# Altium PCB back3_STM32F405.PcbDoc (part 1 of 4) (continued)
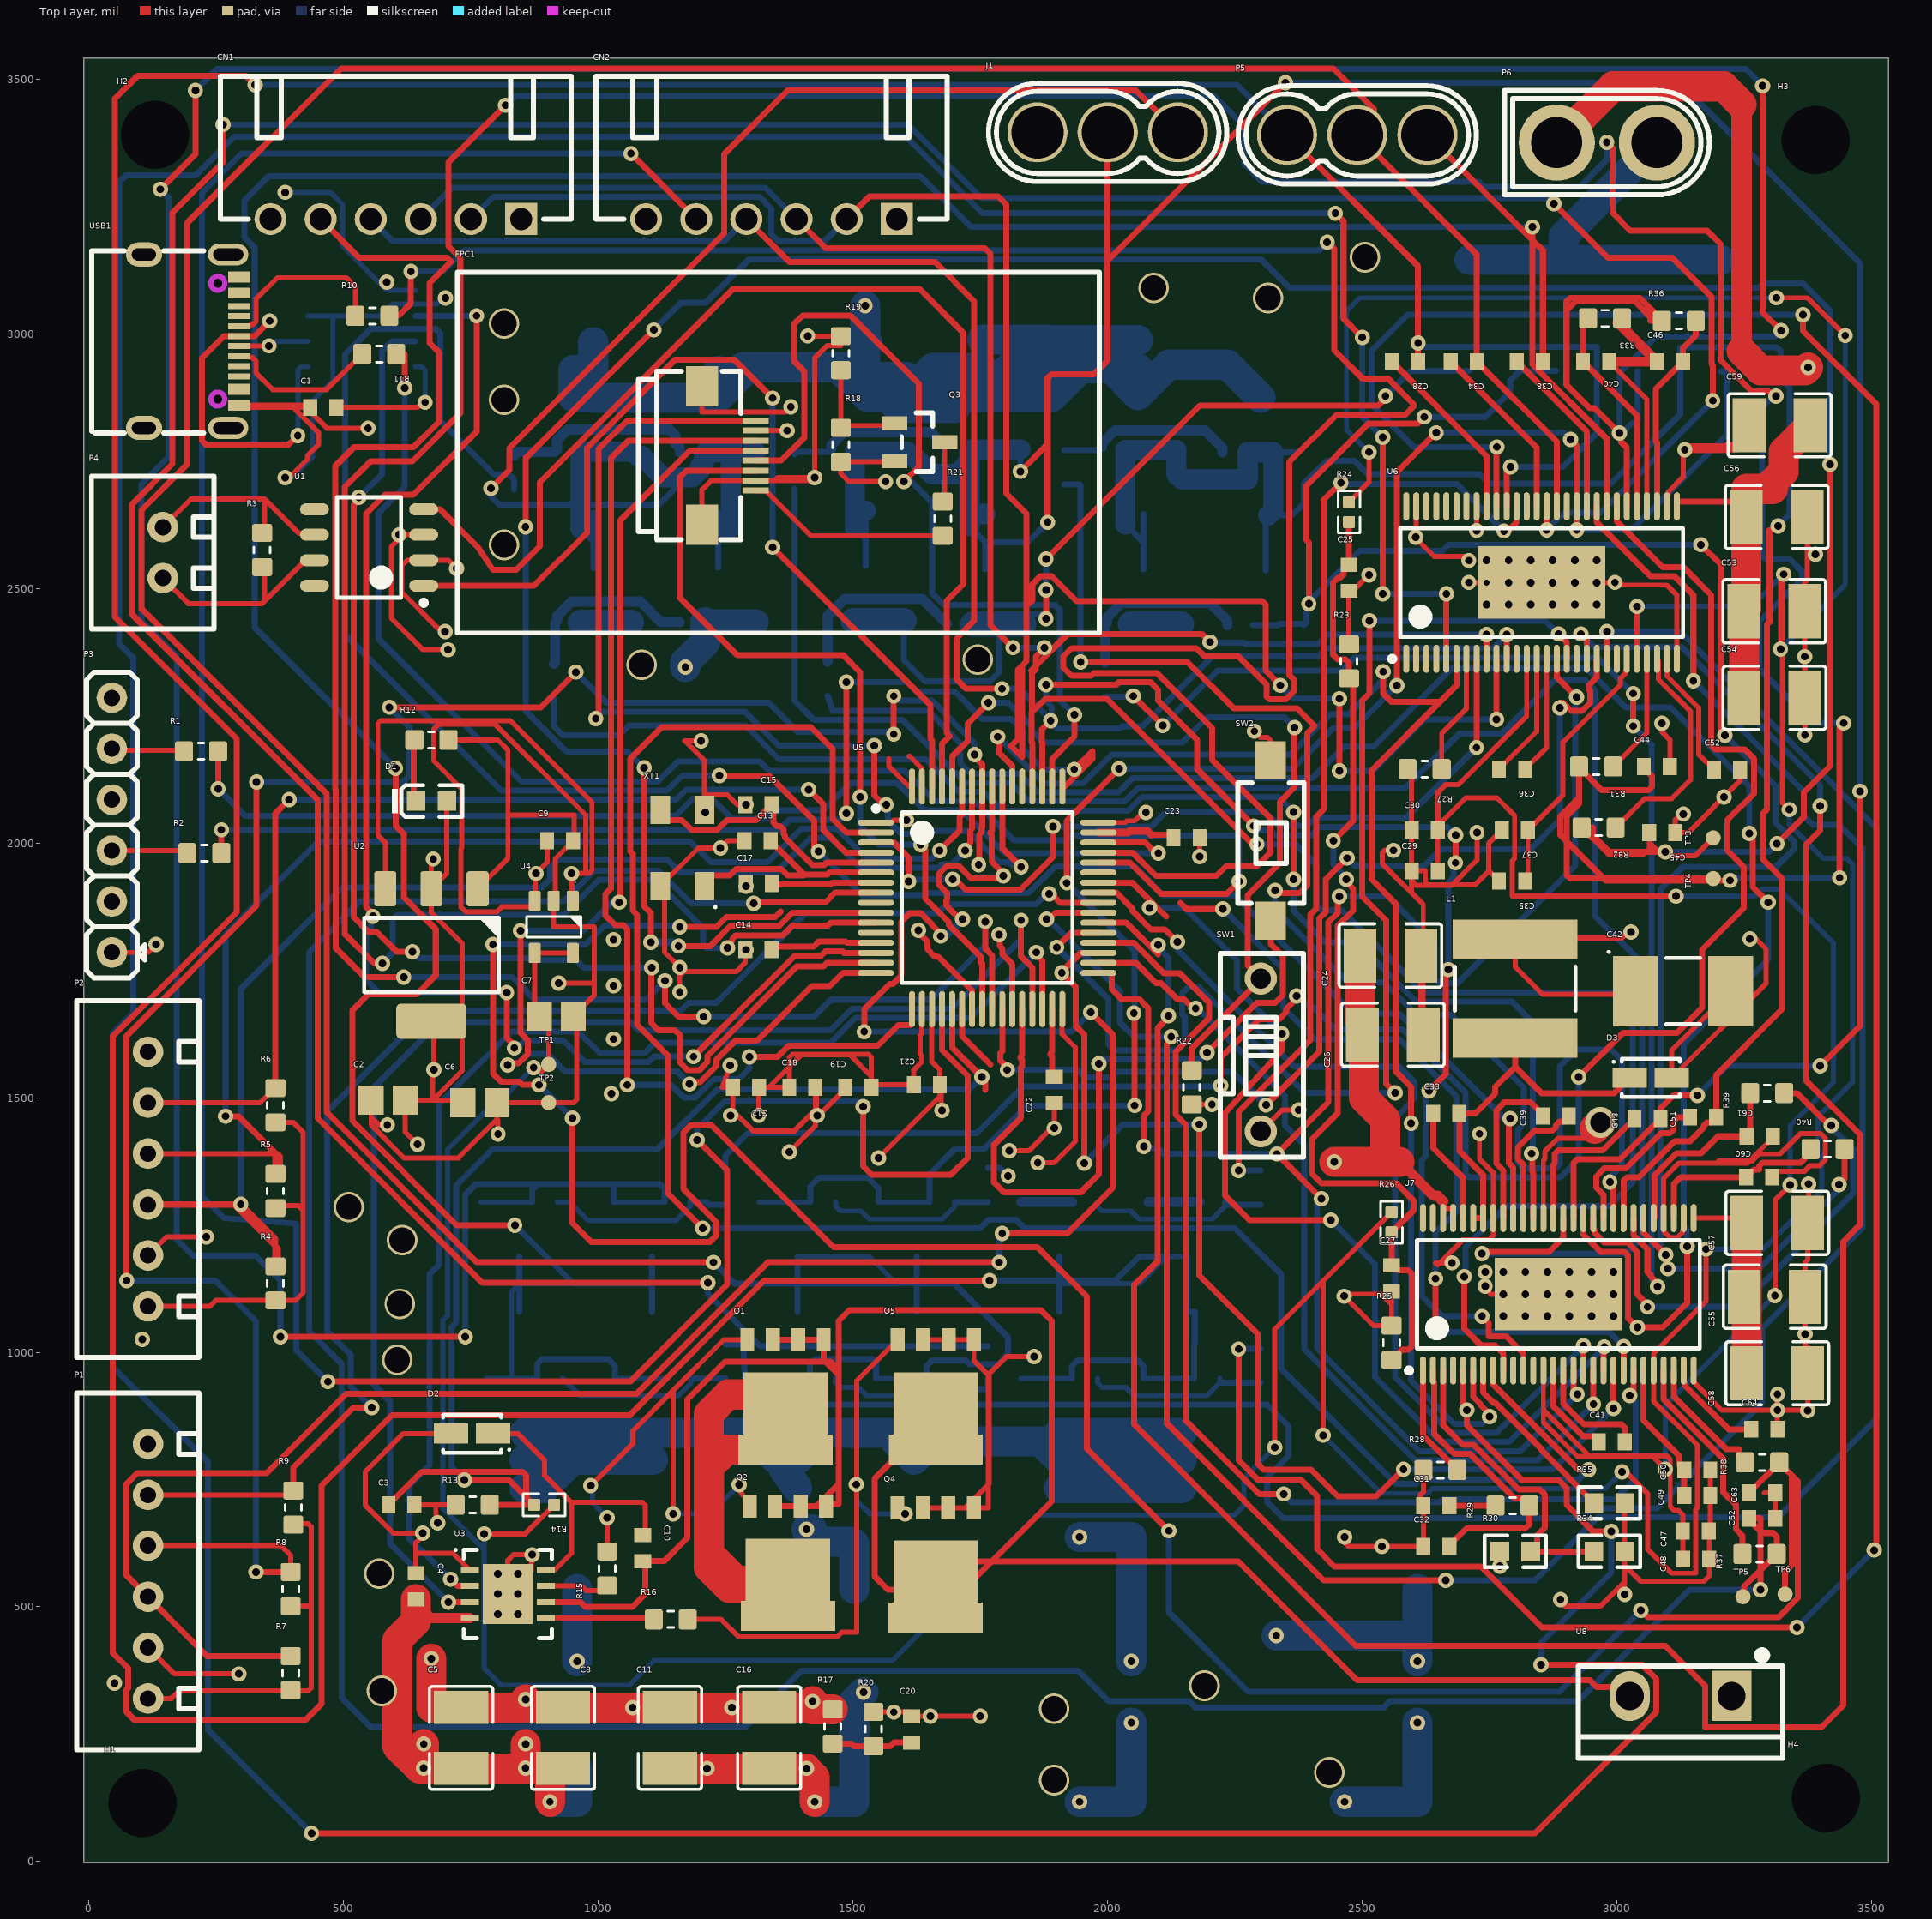
[diagram p0: Top Layer view]
## Classes and differential pairs
component class "Room Definition8": FPC1 Q23 R18 R26 R28
component class "Room Definition7": C2 C3 C12 C14 C18 C19 C22 C65 U5 XT1
component class "Room Definition6": C2 C12 C19 C22 D1 R12 TP1 TP2 U4 U9
component class "Room Definition5": C28 C29 C32 C34 C38 C44 C46 C48 C51 C52 C54 C56 C59 C60 C62 C64 R32 R34 R36 R39 R44 R47 R56 TP4 TP5 U7
component class "Room Definition4": C24 C32 C38 C42 C44 C48 C50 C51 C52 C57 C58 C59 C60 C62 C64 D3 L1 R26 R28 R34 R36 R38 R39 R44 R52 R55 TP5 TP6 U7
component class "Room Definition3": C24 C32 C38 C42 C44 C48 C50 C51 C52 C57 C58 C59 C60 C62 C64 D3 L1 R26 R28 R34 R36 R38 R39 R44 R52 R55 TP5 TP6 U7
component class "Room Definition2": Q9 Q15 Q17 Q19 Q24 Q25 Q27 Q29 R14 R36 R46 R50 R54
component class "Room Definition1": Q7 Q9 Q11 Q15 Q17 Q19 Q23 Q24 Q26 Q27 R42 R47 R52 R54 R55 R56
net class VCC: +5 AGND AVCC GVDD VCC
net class DCBUS: DCBUS PGND
component class U_DRV8301_Power: C24 C32 C38 C42 C44 C48 C50 C51 C52 C57 C58 C59 C60 C62 C64 D3 J1 L1 Q7 Q9 Q11 Q15 Q17 Q19 Q23 Q24 Q26 Q27 R26 R28 R34 R36 R38 R39 R42 R44 R47 R52 R54 R55 R56 TP5 TP6 U7
component class U_DRV8301_NoPower: C28 C29 C32 C34 C38 C44 C46 C48 C51 C52 C54 C56 C59 C60 C62 C64 P5 Q9 Q15 Q17 Q19 Q24 Q25 Q27 Q29 R14 R32 R34 R36 R39 R42 R44 R46 R47 R50 R54 R56 TP4 TP5 U7
component class U_AuxHalf: C3 C4 C10 D3 Q15 Q23 Q24 Q26 R13 R14 R20 R22 U5
component class STM32F405: C1 C2 C3 C4 C10 C12 C14 C16 C18 C19 C20 C22 C65 CN1 CN2 D1 FPC1 H1 H3 H4 P1 P3 P4 P5 Q23 R2 R4 R5 R9 R10 R12 R18 R20 R22 R26 R28 SW1 SW2 TP1 TP2 U1 U4 U9 USB1 XT1

## Components (designator, comment, footprint, x,y, rotation, side; value= is the part's Value field where it differs from the comment)
C1 "0.1uF" CAPC1608X09L 460,2855 r0 top
C2 "GRM21BR61H475KE51L" CAPC2012X09N 587.39,1495.01 r0 top value=4.7uF (schematic designator C23)
C3 "2.2µF" CAPC1608X09L 613.5,700.25 r180 top (schematic designator C66)
C4 "2.2µF" CAPC1608X09L 642.2,540.25 r90 top (schematic designator C68)
C5 "4.7uF" C1210 730.58,242.66 r90 top (schematic designator C17)
C6 "GRM21BR61H475KE51L" CAPC2012X09N 767.39,1490.01 r180 top value=4.7uF (schematic designator C22)
C7 "GRM21BR61H475KE51L" CAPC2012X09N 917.39,1660.01 r180 top value=4.7uF (schematic designator C24)
C8 "4.7uF" C1210 930.58,242.66 r270 top (schematic designator C16)
C9 "2.2µF" CAPC1608X09L 924.94,2004.1 r180 top (schematic designator C21)
C10 "0.1uF" CAPC1608X09L 1087.2,615.25 r90 top (schematic designator C67)
C11 "4.7uF" C1210 1140.58,242.66 r90 top (schematic designator C18)
C12 "0.1uF" CAPC1608X09L 1290,1520 r180 top (schematic designator C7)
C13 "10pF" CAPC1608X09L 1312.6,2004.44 r180 top (schematic designator C3)
C14 "0.1uF" CAPC1608X09L 1314.41,1790 r0 top (schematic designator C11)
C15 "10pF" CAPC1608X09L 1314.41,2075 r180 top (schematic designator C2)
C16 "4.7uF" C1210 1335.58,242.66 r90 top (schematic designator C19)
C17 "0.1uF" CAPC1608X09L 1315,1920 r0 top (schematic designator C6)
C18 "0.1uF" CAPC1608X09L 1400.59,1520 r0 top (schematic designator C10)
C19 "0.1uF" CAPC1608X09L 1510.59,1520 r180 top (schematic designator C9)
C20 "2.2µF" CAPC1608X09L 1615,259.41 r270 top
C21 "0.1uF" CAPC1608X09L 1645,1525 r0 top (schematic designator C8)
C22 "2.2µF" CAPC1608X09L 1895,1515 r90 top (schematic designator C5)
C23 "2.2µF" CAPC1608X09L 2155,2010 r180 top (schematic designator C4)
C24 "4.7uF" C1210 2555.17,1778.84 r180 top (schematic designator C29)
C25 "2.2µF" CAPC1608X09L 2473.93,2520.6 r90 top (schematic designator C48)
C26 "4.7uF" C1210 2559.91,1623.84 r180 top (schematic designator C28)
C27 "2.2µF" CAPC1608X09L 2557.39,1145.01 r90 top (schematic designator C25)
C28 "0.022µF" CAPC1608X09L 2583.93,2945.01 r180 top (schematic designator C50)
C29 "2.2µF" CAPC1608X09L 2622.39,1945.01 r0 top (schematic designator C53)
C30 "2.2µF" CAPC1608X09L 2622.39,2025.01 r0 top (schematic designator C52)
C31 "270pF" CAPC1608X09L 2645.5,698.84 r180 top (schematic designator C26)
C32 "82pF" CAPC1608X09L 2645.5,618.84 r180 top (schematic designator C27)
C33 "0.1uF" CAPC1608X09L 2664.91,1468.84 r180 top (schematic designator C30)
C34 "0.022µF" CAPC1608X09L 2698.93,2945.01 r180 top (schematic designator C51)
C35 "2.2µF" CAPC1608X09L 2793.93,1925.01 r180 top (schematic designator C58)
C36 "0.022µF" CAPC1608X09L 2793.93,2145.01 r0 top (schematic designator C54)
C37 "2.2µF" CAPC1608X09L 2799.51,2025.01 r180 top (schematic designator C57)
C38 "0.022µF" CAPC1608X09L 2828.93,2945.01 r180 top (schematic designator C55)
C39 "0.022µF" CAPC1608X09L 2879.91,1463.84 r180 top (schematic designator C32)
C40 "2200pF" CAPC1608X09L 2958.93,2945.01 r180 top (schematic designator C56)
C41 "0.022µF" CAPC1608X09L 2989.91,823.84 r0 top (schematic designator C36)
C42 "68uF" CAPCP6032X28N 3129.91,1708.84 r0 top (schematic designator C31)
C43 "0.022µF" CAPC1608X09L 3059.91,1458.84 r180 top (schematic designator C33)
C44 "2200pF" CAPC1608X09L 3078.33,2150.01 r180 top (schematic designator C63)
C45 "2200pF" CAPC1608X09L 3088.93,2020.01 r180 top (schematic designator C64)
C46 "2200pF" CAPC1608X09L 3103.93,2945.01 r0 top (schematic designator C59)
C47 "2.2µF" CAPC1608X09L 3154.91,648.84 r180 top (schematic designator C34)
C48 "2.2µF" CAPC1608X09L 3155.5,593.84 r180 top (schematic designator C35)
C49 "2.2µF" CAPC1608X09L 3157.62,718.84 r0 top (schematic designator C40)
C50 "2.2µF" CAPC1608X09L 3157.62,768.84 r0 top (schematic designator C39)
C51 "0.022µF" CAPC1608X09L 3169.29,1461.63 r180 top (schematic designator C37)
C52 "2.2µF" CAPC1608X09L 3216.45,2143.12 r180 top (schematic designator C61)
C53 "4.7uF" C1210 3308.67,2455.01 r180 top (schematic designator C60)
C54 "4.7uF" C1210 3309.19,2285.01 r180 top (schematic designator C65)
C55 "4.7uF" C1210 3309.65,1108.85 r180 top (schematic designator C44)
C56 "4.7uF" C1210 3313.67,2640.01 r180 top (schematic designator C62)
C57 "4.7uF" C1210 3314.64,1253.84 r180 top (schematic designator C47)
C58 "4.7uF" C1210 3314.65,958.84 r180 top (schematic designator C42)
C59 "4.7uF" C1210 3319.19,2820.01 r0 top (schematic designator C49)
C60 "2200pF" CAPC1608X09L 3279.32,1343.84 r180 top (schematic designator C41)
C61 "2200pF" CAPC1608X09L 3279.91,1423.84 r180 top (schematic designator C38)
C62 "2200pF" CAPC1608X09L 3284.91,673.84 r180 top (schematic designator C45)
C63 "2200pF" CAPC1608X09L 3284.91,723.84 r180 top (schematic designator C46)
C64 "2.2µF" CAPC1608X09L 3289.32,848.84 r180 top (schematic designator C43)
C65 "220uF" CAP-SMD_BD12.5-L13.0-W13.0-FD 2608.33,332.9 r270 bottom (schematic designator C13)
C66 "220uF" CAP-SMD_BD12.5-L13.0-W13.0-FD 2046.43,332.9 r270 bottom (schematic designator C15)
C67 "220uF" CAP-SMD_BD12.5-L13.0-W13.0-FD 1502.62,332.9 r270 bottom (schematic designator C12)
C68 "220uF" CAP-SMD_BD12.5-L13.0-W13.0-FD 958.33,332.9 r270 bottom (schematic designator C14)
CN1 "X8821WR-06S-N0SN" CONN-TH_6P-P2.50_X8821WR-06S-N2SN 602.36,3225 r180 top
CN2 "X8821WR-06S-N0SN" CONN-TH_6P-P2.50_X8821WR-06S-N2SN 1340,3225 r180 top
D1 "绿灯 0603" 0603_LED_S1 672.39,2082.14 r0 top
D2 "MBR140SFT1G" DIOM2717X10N 752.2,840.25 r180 top (schematic designator D3)
D3 "MBR140SFT1G" DIOM2717X10N 3066.24,1538.84 r0 top (schematic designator D2)
FPC1 "AFC01-S08FCA-00" FPC-SMD_P0.50-8P_FGS-XJ-H2.0 1256.22,2760.53 r90 top
H1 "M3 Hole" "M3 Hole" 105,115 r0 top
H2 "M3 Hole" "M3 Hole" 130,3390 r0 top (schematic designator H4)
H3 "M3 Hole" "M3 Hole" 3390,3380 r0 top
H4 "M3 Hole" "M3 Hole" 3410,125 r0 top (schematic designator H2)
J1 "M3—DCBUS" CONN-TH_MR30-M 2000.01,3395 r180 top
L1 "22uH" INDC6060X28N 2799.91,1713.84 r90 top
P1 "Header 6" XH254-6#1 116.12,570 r90 top (schematic designator P4)
P2 "Header 6" XH254-6#2 116.12,1340 r90 top (schematic designator P3)
P3 "Header 6" SIP-6 45,2035 r90 top (schematic designator P1)
P4 "Header 2" XH254-2 145,2570 r90 top (schematic designator P2)
P5 "Header 3" CONN-TH_MR30-M 2490,3390 r0 top (schematic designator P6)
P6 "Header 2" CONN-TH_XT30U-M 2980,3375 r0 top (schematic designator P5)
Q1 "NTMFS5C628NLT" SO8FL#1 1367.48,917.06 r180 top (schematic designator Q27)
Q2 "NTMFS5C628NLT" SO8FL#1 1372.2,590.25 r180 top (schematic designator Q26)
Q3 "8550_SMT" SOT-23(SOT-23-3) 1631.03,2786.63 r180 top (schematic designator Q1)
Q4 "NTMFS5C628NLT" SO8FL#1 1662.2,587.06 r180 top (schematic designator Q28)
Q5 "NTMFS5C628NLT" SO8FL#1 1662.48,917.06 r180 top (schematic designator Q29)
Q6 "NTMFS5C628NLT" SO8FL#2 2310,2534.72 r180 bottom (schematic designator Q9)
Q7 "NTMFS5C628NLT" SO8FL#2 2300,2874.1 r180 bottom
Q8 "NTMFS5C628NLT" SO8FL#2 2155,1187.72 r0 bottom (schematic designator Q24)
Q9 "NTMFS5C628NLT" SO8FL#2 2145,841.69 r0 bottom (schematic designator Q14)
Q10 "NTMFS5C628NLT" SO8FL#2 2070,2537.28 r180 bottom (schematic designator Q8)
Q11 "NTMFS5C628NLT" SO8FL#2 2059.72,2878.82 r180 bottom (schematic designator Q6)
Q12 "NTMFS5C628NLT" SO8FL#2 1905.28,1187.72 r0 bottom (schematic designator Q25)
Q13 "NTMFS5C628NLT" SO8FL#2 1905,841.69 r0 bottom (schematic designator Q15)
Q14 "NTMFS5C628NLT" SO8FL#2 1760,2537.28 r180 bottom (schematic designator Q11)
Q15 "NTMFS5C628NLT" SO8FL#2 1753.78,2879.73 r180 bottom (schematic designator Q4)
Q16 "NTMFS5C628NLT" SO8FL#2 1625,1187.72 r0 bottom (schematic designator Q22)
Q17 "NTMFS5C628NLT" SO8FL#2 1619.72,841.69 r0 bottom (schematic designator Q16)
Q18 "NTMFS5C628NLT" SO8FL#2 1528.33,2875.36 r180 bottom (schematic designator Q5)
Q19 "NTMFS5C628NLT" SO8FL#2 1525,2543.82 r180 bottom (schematic designator Q10)
Q20 "NTMFS5C628NLT" SO8FL#2 1391.22,1187.72 r0 bottom (schematic designator Q23)
Q21 "NTMFS5C628NLT" SO8FL#2 1390.28,841.69 r0 bottom (schematic designator Q17)
Q22 "NTMFS5C628NLT" SO8FL#2 1235,2540.83 r180 bottom (schematic designator Q13)
Q23 "NTMFS5C628NLT" SO8FL#2 1235,2873.82 r180 bottom (schematic designator Q3)
Q24 "NTMFS5C628NLT" SO8FL#2 1107.66,841.69 r0 bottom (schematic designator Q18)
Q25 "NTMFS5C628NLT" SO8FL#2 1105.28,1187.72 r0 bottom (schematic designator Q20)
Q26 "NTMFS5C628NLT" SO8FL#2 990,2875.36 r180 bottom (schematic designator Q2)
Q27 "NTMFS5C628NLT" SO8FL#2 990,2539.97 r180 bottom (schematic designator Q12)
Q28 "NTMFS5C628NLT" SO8FL#2 855,841.69 r0 bottom (schematic designator Q19)
Q29 "NTMFS5C628NLT" SO8FL#2 845,1187.72 r0 bottom (schematic designator Q21)
R1 "22R" RESC1608X55N 220,2180 r0 top (schematic designator R5)
R2 "22R" RESC1608X55N 226.53,1980 r0 top (schematic designator R1)
R3 "120R" RESC1608X55N 340,2575 r270 top (schematic designator R4)
R4 "3.3k" RESC1608X55N 366.12,1135 r270 top (schematic designator R12)
R5 "3.3k" RESC1608X55N 366.12,1316.54 r270 top (schematic designator R13)
R6 "3.3k" RESC1608X55N 366.12,1485 r270 top (schematic designator R14)
R7 "3.3k" RESC1608X55N 396.12,370 r270 top (schematic designator R9)
R8 "3.3k" RESC1608X55N 396.12,535 r270 top (schematic designator R10)
R9 "3.3k" RESC1608X55N 401.12,695 r270 top (schematic designator R11)
R10 "22R" RESC1608X55N 556.54,3035 r0 top (schematic designator R3)
R11 "22R" RESC1608X55N 570,2960 r0 top (schematic designator R6)
R12 "1k" RESC1608X55N 672.39,2202.14 r180 top (schematic designator R18)
R13 "3.3k" RESC1608X55N 753.5,700.25 r0 top (schematic designator R55)
R14 "NCP15XH103F03RC" RESC1005X40N 893.5,700.25 r0 top value=10k (schematic designator R53)
R15 "2.2R" RESC1608X55N 1017.2,575.25 r270 top (schematic designator R54)
R16 "2.2R" RESC1608X55N 1142.2,475.25 r180 top (schematic designator R56)
R17 "10K" RESC1608X55N 1460,265 r90 top (schematic designator R16)
R18 "1k" RESC1608X55N 1476.03,2781.63 r270 top (schematic designator R2)
R19 "10K" RESC1608X55N 1476.03,2961.63 r270 top (schematic designator R7)
R20 "1k" RESC1608X55N 1540,260 r270 top (schematic designator R17)
R21 "22R" RESC1608X55N 1676.03,2636.63 r90 top (schematic designator R8)
R22 "47K" RESC1608X55N 2165,1520 r270 top (schematic designator R15)
R23 "3.3k" RESC1608X55N 2473.92,2356.55 r270 top (schematic designator R39)
R24 "NCP15XH103F03RC" RESC1005X40N 2473.93,2649.69 r90 top value=10k (schematic designator R38)
R25 "3.3k" RESC1608X55N 2557.39,1018.48 r270 top (schematic designator R20)
R26 "NCP15XH103F03RC" RESC1005X40N 2557.39,1255.01 r90 top value=10k (schematic designator R19)
R27 "18k" RESC1608X55N 2622.39,2145.01 r180 top (schematic designator R43)
R28 "220k" RESC1608X55N 2653.37,768.84 r180 top (schematic designator R21)
R29 "47K" RESC1608X55N 2794.91,698.84 r0 top (schematic designator R23)
R30 "18k" 0603_R 2800.22,608.84 r180 top (schematic designator R22)
R31 "22R" RESC1608X55N 2958.93,2150.01 r180 top (schematic designator R46)
R32 "22R" RESC1608X55N 2963.92,2030.01 r180 top (schematic designator R47)
R33 "120R" RESC1608X55N 2976.53,3030 r180 top (schematic designator R44)
R34 "3.3k" 0603_R 2984.91,608.84 r180 top (schematic designator R27)
R35 "18k" 0603_R 2984.91,703.84 r0 top (schematic designator R28)
R36 "120R" RESC1608X55N 3121.54,3025 r0 top (schematic designator R45)
R37 "22R" RESC1608X55N 3279.91,603.84 r0 top (schematic designator R31)
R38 "22R" RESC1608X55N 3284.91,783.84 r0 top (schematic designator R32)
R39 "120R" RESC1608X55N 3294.91,1508.84 r180 top (schematic designator R29)
R40 "120R" RESC1608X55N 3413.37,1398.84 r180 top (schematic designator R30)
R41 "CSR2512C0R0005F" RESC6432X09N 3204.39,3034.87 r270 bottom value=500uOhm (schematic designator R52)
R42 "CSR2512C0R0005F" RESC6432X09N 3040.56,3034.87 r270 bottom value=500uOhm (schematic designator R51)
R43 "CSR2512C0R0005F" RESC6432X09N 2880,3035.75 r270 bottom value=500uOhm (schematic designator R36)
R44 "CSR2512C0R0005F" RESC6432X09N 2710,3035.75 r270 bottom value=500uOhm (schematic designator R37)
R45 "2.2R" RESC1608X55N 2300,973.35 r90 bottom (schematic designator R40)
R46 "2.2R" RESC1608X55N 2300,1323.35 r90 bottom (schematic designator R50)
R47 "2.2R" RESC1608X55N 1995,2320.63 r270 bottom (schematic designator R33)
R48 "2.2R" RESC1608X55N 1915,2737.56 r270 bottom (schematic designator R26)
R49 "2.2R" RESC1608X55N 1765,978.35 r90 bottom (schematic designator R41)
R50 "2.2R" RESC1608X55N 1765,1328.35 r90 bottom (schematic designator R49)
R51 "2.2R" RESC1608X55N 1450,2322.56 r270 bottom (schematic designator R34)
R52 "2.2R" RESC1608X55N 1385,2729.1 r270 bottom (schematic designator R25)
R53 "2.2R" RESC1608X55N 1250,981.81 r90 bottom (schematic designator R42)
R54 "2.2R" RESC1608X55N 1250,1323.35 r90 bottom (schematic designator R48)
R55 "2.2R" RESC1608X55N 912.79,2318.13 r270 bottom (schematic designator R35)
R56 "2.2R" RESC1608X55N 835,2727.56 r270 bottom (schematic designator R24)
SW1 "DSWB01LHGET" SW-TH_DSWB01LHGET 2300.59,1583.68 r0 top
SW2 "TS-1101-C-W" SW-SMD_L6.0-W3.3-LS8.0 2320,2005 r90 top
TP1 "TESTPOINT" TP-R30 902.39,1565.01 r180 top
TP2 "TESTPOINT" TP-R30 902.39,1490.01 r180 top
TP3 "TESTPOINT" TP-R30 3188.93,2010.01 r90 top (schematic designator TP6)
TP4 "TESTPOINT" TP-R30 3188.93,1930.01 r90 top (schematic designator TP5)
TP5 "TESTPOINT" TP-R30 3247.39,520.01 r270 top (schematic designator TP3)
TP6 "TESTPOINT" TP-R30 3329.91,525.01 r270 top (schematic designator TP4)
U1 "SN65HVD232D" SOIC127P600X175-8N 550,2580 r180 top
U2 "3.3V" SOT223 672.39,1780.01 r270 top (schematic designator U5)
U3 "LM5109BSD/NOPB" SON80P400X80_HS-9N 822.2,525.25 r0 top (schematic designator U8)
U4 "3.3V" SOT23-5 912.39,1835.01 r270 top
U5 "STM32F405RGT6" STM-LQFP64_N 1763.5,1892.36 r0 top (schematic designator U3)
U6 "DRV8301" TSSOP50P810X120_HS-57N 2852.08,2511.18 r90 top (schematic designator U7)
U7 "DRV8301" TSSOP50P810X120_HS-57N 2884.91,1113.84 r90 top (schematic designator U6)
U8 "3Ω" TO-220-2L_L10.2-W4.6-P5.08-L 3125,325 r180 top (schematic designator U9)
U9 "CH340N" "ch340N  SOP-8_L4.9-W3.9-P1.27-LS6.0-BL" 535.61,3010 r90 bottom (schematic designator U2)
USB1 "TYPE-C 16PIN 2MD(073)" USB-C-SMD_TYPE-C-16PIN-2MD-073 295.98,3113.11 r270 top
XT1 "8 MHz" DFN220P320X110-4N 1165,1990 r90 top

## Footprints (in the part's own frame and the unit in brackets; to place one, negate y for a bottom-side part, rotate by r counter-clockwise, add the part's x,y. Pads: shape width x height; smd on the part's side, far side on the other; paste and mask are expansions set on the pad)
0603_LED_S1 [mm]
  rect 0.93x0.98 smd: A(0.77,0) K(-0.77,0)
  silkscreen extent -1.98,-0.79 1.54,0.79, body extent -0.8,-0.4 0.8,0.4, height 0.6
0603_R [mm]
  rect 0.93x0.98 smd: 1(-0.77,0) 2(0.77,0)
  silkscreen extent -1.54,-0.79 1.53,0.79, body extent -0.85,-0.4 0.85,0.4, height 0.56
C1210 [mm]
  rect 1.635x2.7 smd paste-100 mask+0.051: 1(-1.517,0) 2(1.517,0)
  silkscreen extent -2.56,-1.58 2.56,1.58
CAP-SMD_BD12.5-L13.0-W13.0-FD [mm] "220uF 63V 贴片电容"
  rect 6.2x1.75 smd: 1(-5.145,0) 2(5.145,0)
  silkscreen extent -6.58,-6.58 6.58,6.58
CAPC1608X09L [mm] "Chip Capacitor, 2-Leads, Body 1.60x0.80mm, IPC High Density"
  rect 0.7x0.85 smd: 1(-0.65,0) 2(0.65,0)
  body extent -0.85,-0.45 0.85,0.45, height 0.9
CAPC2012X09N [mm] "Chip Capacitor, 2-Leads, Body 2.00x1.25mm, IPC Medium Density"
  rect 1.25x1.45 smd: 1(-0.85,0) 2(0.85,0)
  body extent -1.08,-0.7 1.07,0.7, height 0.95
CAPCP6032X28N [mm]
  rect 2.25x3.5 smd: 1(-2.375,0) 2(2.375,0)
  silkscreen extent -3.76,-1.65 0.85,2.01, body extent -3.15,-1.75 3.15,1.75, height 2.8
"ch340N  SOP-8_L4.9-W3.9-P1.27-LS6.0-BL" [mm]
  oval 0.63x1.865 smd: 1(-1.905,-2.682) 2(-0.635,-2.682) 3(0.635,-2.682) 4(1.905,-2.682) 5(1.905,2.683) 6(0.635,2.683) 7(-0.635,2.683) 8(-1.905,2.683)
  silkscreen extent -2.82,-2.83 2.58,1.52
CONN-TH_6P-P2.50_X8821WR-06S-N2SN [mm] "90度 弯插 6p"
  rect 1.6x1.6 hole 1.1: 1(-6.25,0)
  round 1.6 hole 1.1: 2(-3.75,0) 3(-1.25,0) 4(1.25,0) 5(3.75,0) 6(6.25,0)
  silkscreen extent -8.75,-7.11 8.75,0
CONN-TH_MR30-M [mm] "MR30航模电机插头"
  round 3 hole 2.6 paste-2539.97 mask+0.05: 1(-3.5,0) 2(0,0) 3(3.5,0)
  silkscreen extent -5.94,-2.45 5.94,2.45
CONN-TH_XT30U-M [mm] "xt30 插头"
  round 3.8 hole 2.54 paste-2539.97 mask+0.05: 1(-2.5,0) 2(2.5,0)
  silkscreen extent -5.1,-2.6 5.11,2.6
DFN220P320X110-4N [mm] "DFN, 4-Leads, Body 5.00x3.20mm, Pitch 2.20mm, IPC Medium Density"
  rect 1.4x1 smd: 1(-1.9,-1.1) 3(1.9,1.1) G(-1.9,1.1) G(1.9,-1.1)
  silkscreen extent -3,-1.7 -2.9,-1.6, body extent -2.55,-1.65 2.55,1.65, height 1.1
DIOM2717X10N [mm] "Molded Diode, 2-Leads, Body 2.70x1.65mm, IPC Medium Density"
  rect 1.7x1 smd: A(1.05,0) K(-1.05,0)
  silkscreen extent -1.9,-0.95 1.45,0.95, body extent -1.45,-0.9 1.45,0.9, height 1
FPC-SMD_P0.50-8P_FGS-XJ-H2.0 [mm]
  rect 0.3x1.3 smd paste+0 mask+0.05: 1(-1.75,-1.34) 2(-1.252,-1.339) 3(-0.75,-1.34) 4(-0.25,-1.34) 5(0.25,-1.34) 6(0.75,-1.34) 7(1.25,-1.34) 8(1.75,-1.34)
  rect 2x1.6 smd: 9(3.45,1.34) 10(-3.45,1.34)
  silkscreen extent -8.85,-18.48 9.15,13.52
INDC6060X28N [mm]
  rect 1.98x6.22 smd: 1(-2.46,0) 2(2.46,0)
  silkscreen extent -1.1,-3.01 1.1,3.01, body extent -3.1,-3.1 3.1,3.1, height 2.8
"M3 Hole" [mm] "M3 Hole with no copper"
  round 3 hole 3.4 unplated: 1(0,0)
RESC1005X40N [mm]
  round 0.2 on Mech15: 0(0,0)
  rrect20% 0.6x0.6 smd: 1(-0.5,0) 2(0.5,0)
  Top Layer pour cut-out: -0.325,0.375 -0.2,0.5 0.2,0.5 0.325,0.375 0.325,-0.375 0.2,-0.5 -0.2,-0.5 -0.325,-0.375
  silkscreen extent -1.05,-0.55 1.05,0.55, body extent -0.52,-0.27 0.53,0.28, height 0.4
RESC1608X55N [mm]
  round 0.254 on Mech15: 0(0,0)
  rrect25% 0.9x1 smd: 1(-0.85,0) 2(0.85,0)
  Top Layer pour cut-out: -0.6,0.5 -0.4,0.7 0.4,0.7 0.6,0.5 0.6,-0.5 0.4,-0.7 -0.4,-0.7 -0.6,-0.5
  silkscreen extent -0.15,-0.41 0.15,0.41, body extent -0.87,-0.47 0.88,0.48, height 0.54
RESC6432X09N [mm] "Chip Resistor, 2-Leads, Body 6.40x3.20mm, IPC Medium Density"